# Altium PCB FA18_AMPCD.PcbDoc
Units mil, origin at the board's own origin, x right, y up, seen from the top; angles counter-clockwise.
Board outline 6889.76 x 8011.81 mil, 2 copper layers (Top Layer, Bottom Layer); 47 components, 65 nets, 218 pads, 28 vias.
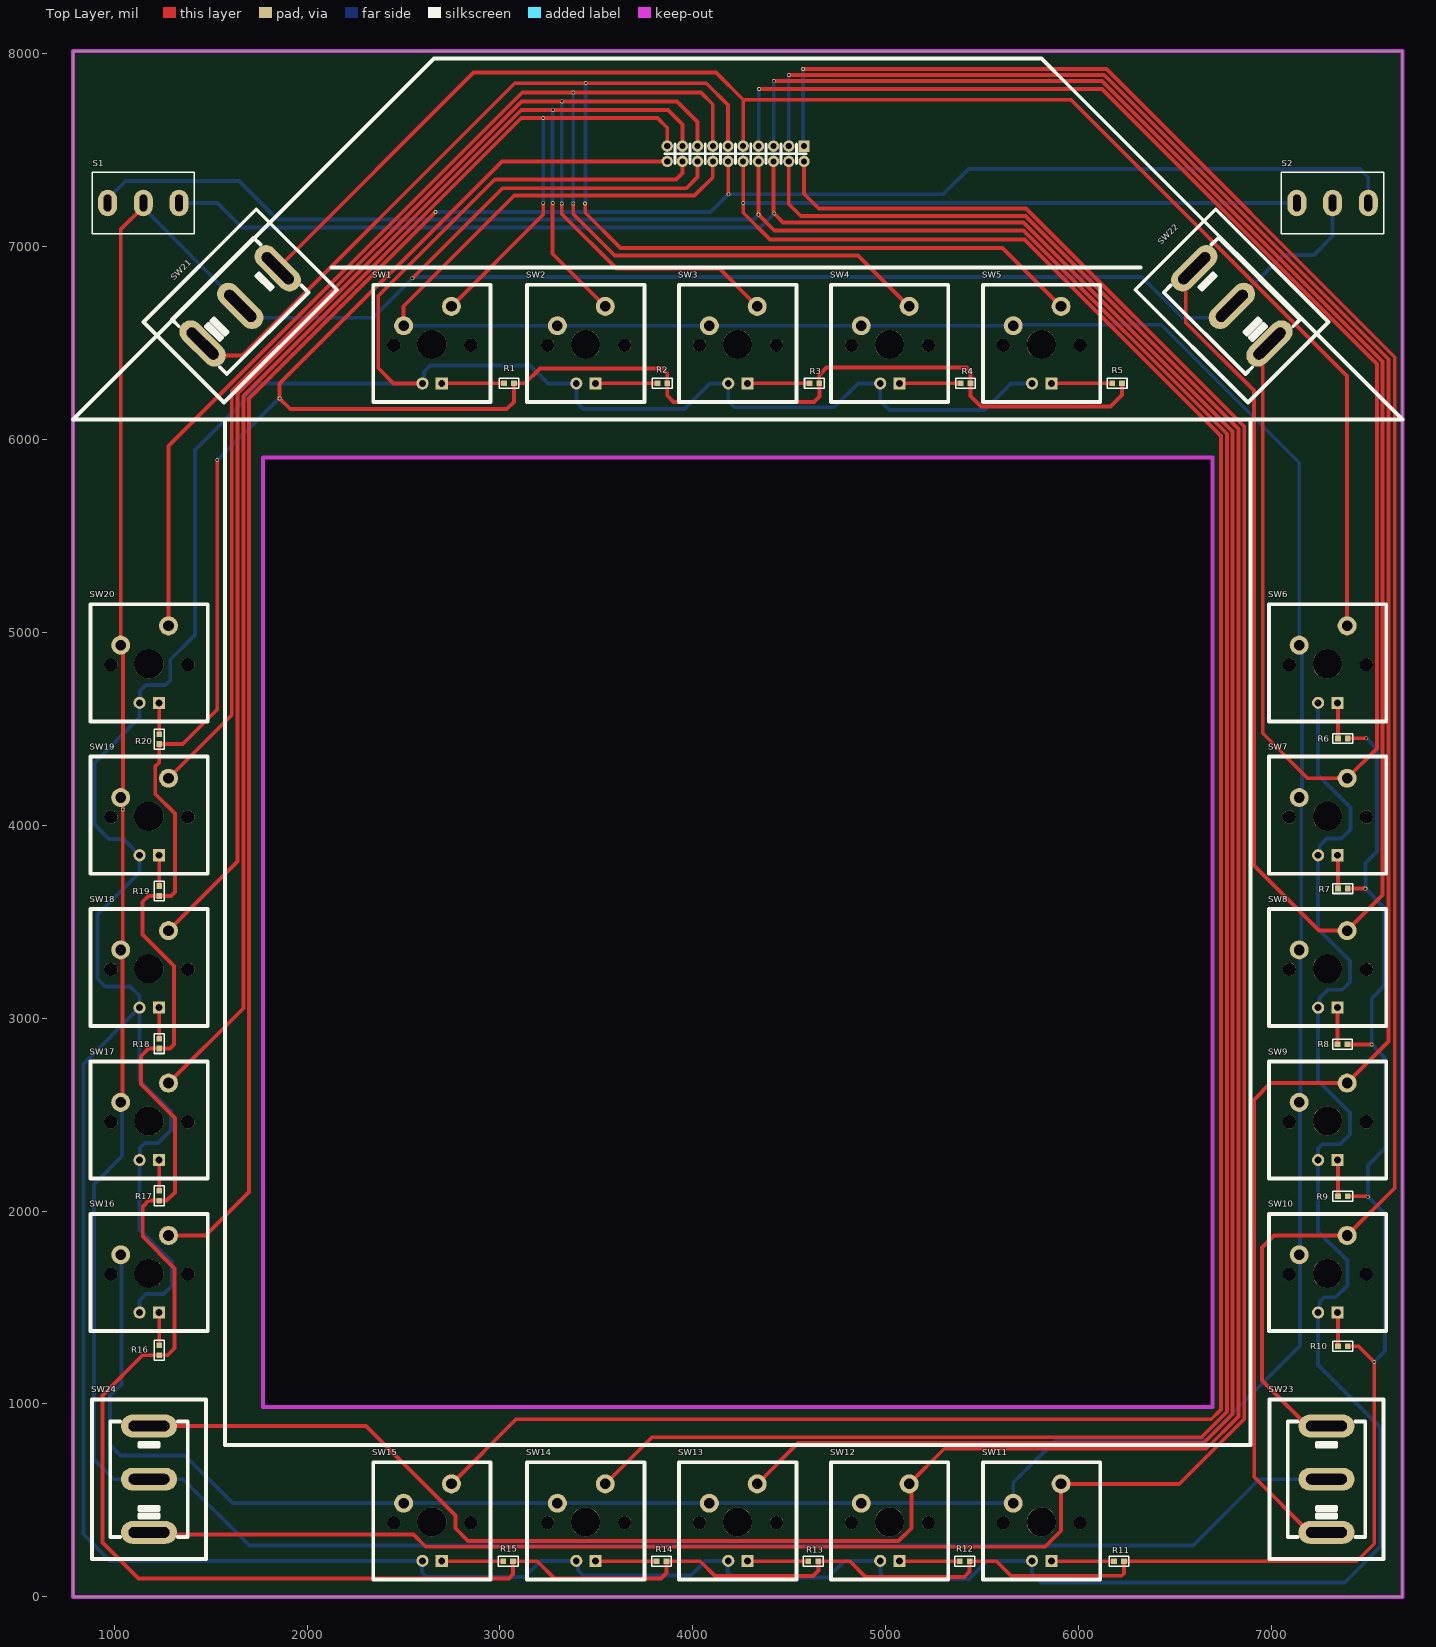
[diagram p0: Top Layer view]
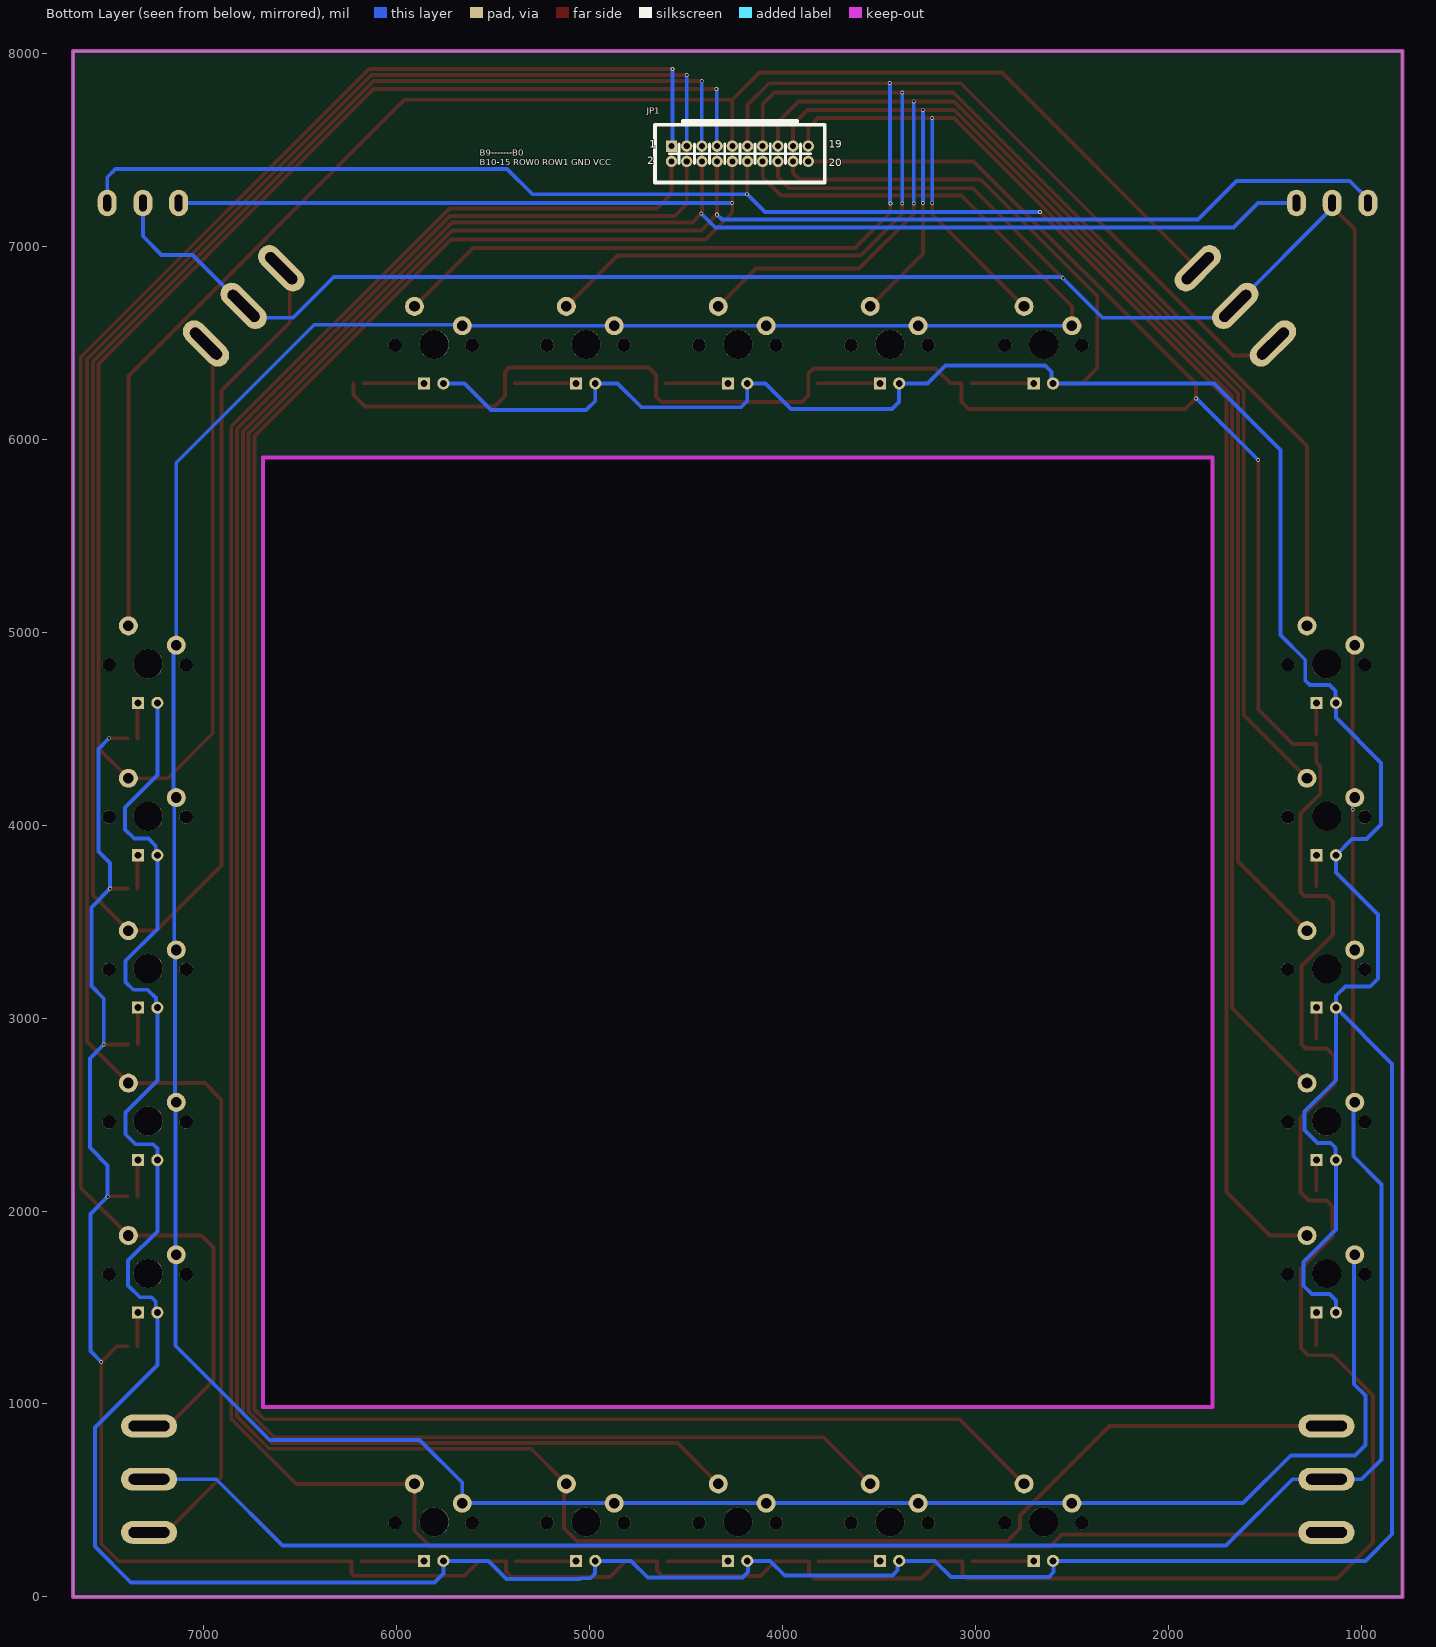
[diagram p1: Bottom Layer view, seen from below]
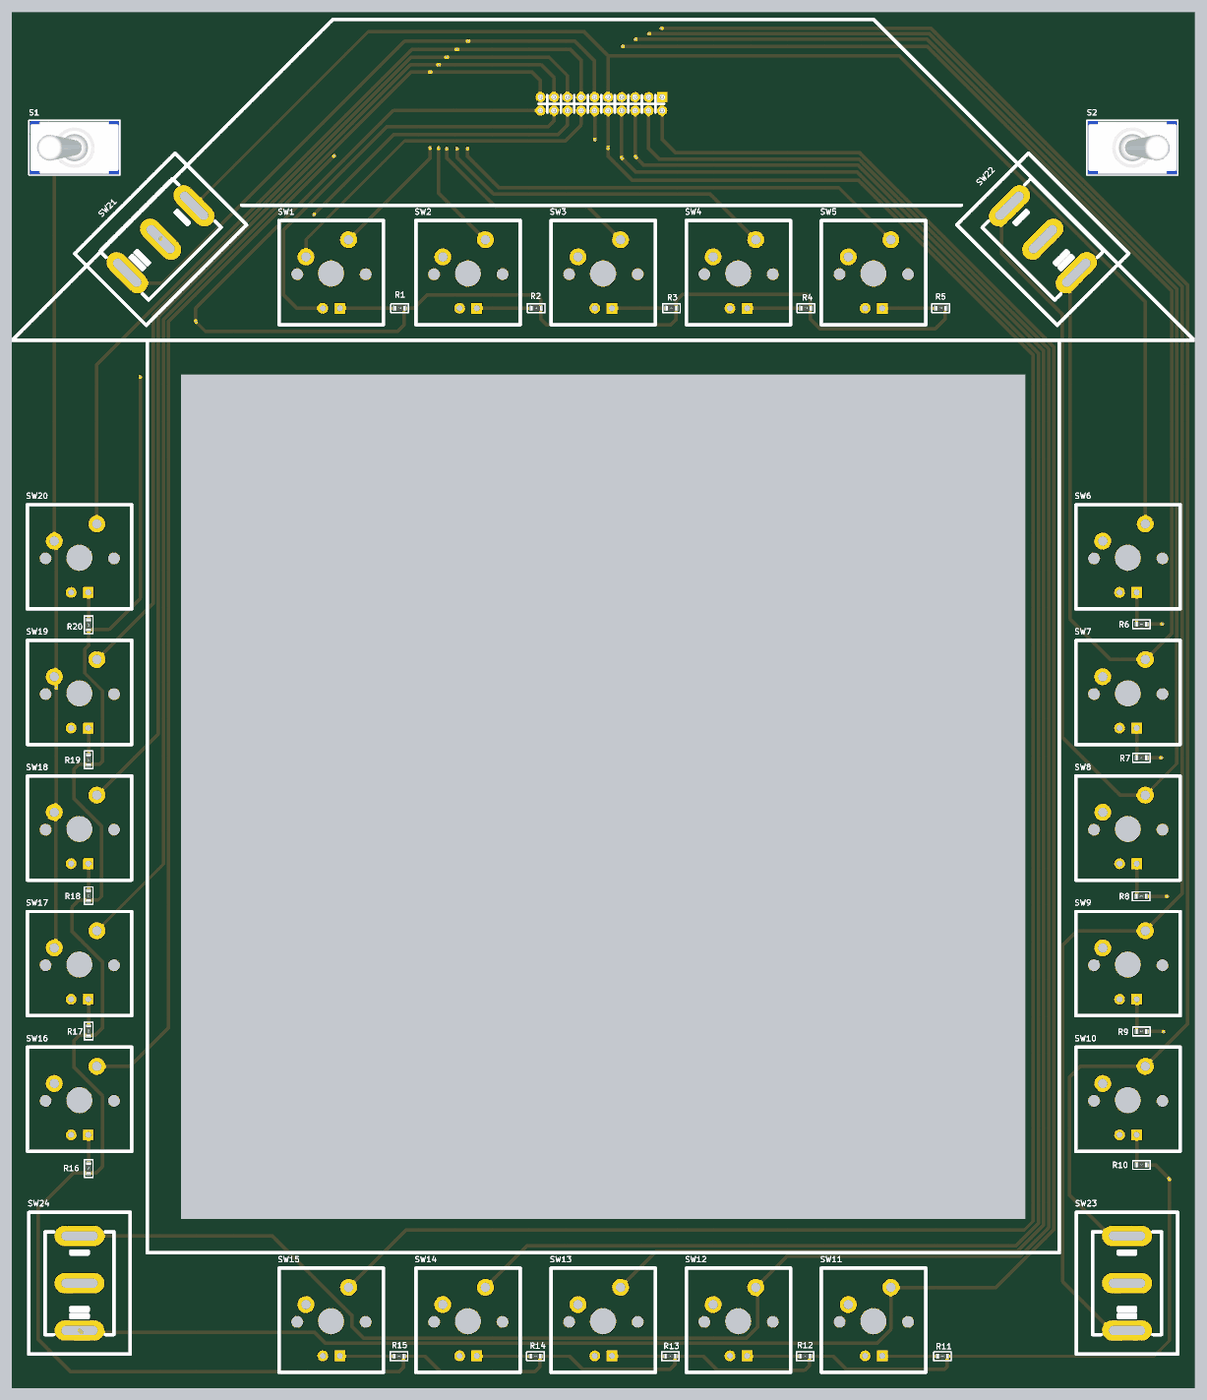
[diagram p2: 3D render of the assembled board from above, using the file's embedded part models]

## Layer stack, top to bottom
Top Solder: solder mask 0.4, Solder Resist, Dk 3.5
Top Layer: signal copper 1.4
Dielectric 1: dielectric 12.6, FR-4, Dk 4.8
Bottom Layer: signal copper 1.4
Bottom Solder: solder mask 0.4, Solder Resist, Dk 3.5

## Board outline
787.4,0 787.4,6889.76 787.4,8011.81 7677.17,8011.81 7677.17,6889.76 7677.17,0
cut-out: 1771.65,984.25 1771.65,5905.51 6692.91,5905.51 6692.91,984.25

## Design rules (kind name [scope] priority, off if disabled: settings)
Clearance [All] p1: gap=10 ignorepadtopadclearanceinfootprint=FALSE
Height [All] p1: minheight=0 maxheight=3937.01 prefheight=500
HoleSize [All] p1: absolutevalues=TRUE maxlimit=393.7 minlimit=1 maxpercent=80.000 minpercent=20.000
MinimumSolderMaskSliver [All] p1: minsoldermaskwidth=0
PolygonConnect [All] p1: connectstyle=Relief reliefconductorwidth=10 reliefentries=4 polygonreliefangle="90 Angle" airgapwidth=10
RoutingCorners [All] p1: cornerstyle=45-Degree minsetback=200 maxsetback=200
RoutingVias [All] p1: holewidth=11.81 width=19.68 viastyle="Through Hole" minholewidth=11.81 minwidth=19.68 maxholewidth=39.37 maxwidth=78.74
SilkToSilkClearance [All] p1: silktosilkclearance=0
SilkToSolderMaskClearance [IsPad] p1: minsilkscreentomaskgap=0 clearancetoexposedcopper=TRUE
SolderMaskExpansion [All] p1: expansion=4 istentingtop=FALSE
UnRoutedNet [All] p1: checkbadconnections=TRUE
Width [All] p1: maxlimit=100 minlimit=10 preferedwidth=10
23 further rules are at their usual default settings.

## Components (designator, comment, footprint, x,y, rotation, side; value= is the part's Value field where it differs from the comment)
JP1 "Header 2X10" PHB2.0-LI-2x10P 4221.15,7479.63 r180 bottom
R1 "5.1K" "R 0603_L" 3046.41,6290 r0 top
R2 "5.1K" "R 0603_L" 3841.41,6290 r0 top
R3 "5.1K" "R 0603_L" 4629.41,6290 r0 top
R4 "5.1K" "R 0603_L" 5413,6290 r0 top
R5 "5.1K" "R 0603_L" 6198.41,6290 r0 top
R6 "5.1K" "R 0603_L" 7368.11,4448.82 r0 top
R7 "5.1K" "R 0603_L" 7368.11,3671.26 r0 top
R8 "5.1K" "R 0603_L" 7366.14,2864.18 r0 top
R9 "5.1K" "R 0603_L" 7368.11,2076.77 r0 top
R10 "5.1K" "R 0603_L" 7368.11,1299.22 r0 top
R11 "5.1K" "R 0603_L" 6208.41,185 r0 top
R12 "5.1K" "R 0603_L" 5408.59,185 r0 top
R13 "5.1K" "R 0603_L" 4623.41,185 r0 top
R14 "5.1K" "R 0603_L" 3837.41,185 r0 top
R15 "5.1K" "R 0603_L" 3042.41,185 r0 top
R16 "5.1K" "R 0603_L" 1234,1278.41 r270 top
R17 "5.1K" "R 0603_L" 1234,2079.41 r270 top
R18 "5.1K" "R 0603_L" 1234,2867.59 r270 top
R19 "5.1K" "R 0603_L" 1234,3658.59 r270 top
R20 "5.1K" "R 0603_L" 1234,4445.41 r270 top
S1 "MTS-10x" MTS-10x 1151.57,7224.41 r180 top
S2 "MTS-10x" MTS-10x 7314.96,7224.41 r0 top
SW1 "Cherry" "LSW DIP-CHERRY" 2598.43,6289.37 r0 top
SW2 "Cherry" "LSW DIP-CHERRY" 3395.67,6289.37 r0 top
SW3 "Cherry" "LSW DIP-CHERRY" 4183.07,6289.37 r0 top
SW4 "Cherry" "LSW DIP-CHERRY" 4970.47,6289.37 r0 top
SW5 "Cherry" "LSW DIP-CHERRY" 5757.87,6289.37 r0 top
SW6 "Cherry" "LSW DIP-CHERRY" 7240.16,4633.86 r0 top
SW7 "Cherry" "LSW DIP-CHERRY" 7240.16,3844 r0 top
SW8 "Cherry" "LSW DIP-CHERRY" 7240.16,3054.13 r0 top
SW9 "Cherry" "LSW DIP-CHERRY" 7240.16,2264.27 r0 top
SW10 "Cherry" "LSW DIP-CHERRY" 7240.16,1474.41 r0 top
SW11 "Cherry" "LSW DIP-CHERRY" 5757.87,187.01 r0 top
SW12 "Cherry" "LSW DIP-CHERRY" 4970.47,187.01 r0 top
SW13 "Cherry" "LSW DIP-CHERRY" 4183.07,187.01 r0 top
SW14 "Cherry" "LSW DIP-CHERRY" 3395.67,187.01 r0 top
SW15 "Cherry" "LSW DIP-CHERRY" 2598.43,187.01 r0 top
SW16 "Cherry" "LSW DIP-CHERRY" 1132.28,1474.41 r0 top
SW17 "Cherry" "LSW DIP-CHERRY" 1132.28,2264.27 r0 top
SW18 "Cherry" "LSW DIP-CHERRY" 1132.28,3054.13 r0 top
SW19 "Cherry" "LSW DIP-CHERRY" 1132.28,3844 r0 top
SW20 "Cherry" "LSW DIP-CHERRY" 1132.28,4633.86 r0 top
SW21 "KCD1" KCD1 1653.54,6690.93 r45 top
SW22 "KCD1" KCD1 6793.32,6690.93 r135 top
SW23 "KCD1" KCD1 7283.46,610.24 r90 top
SW24 "KCD1" KCD1 1181.1,610.24 r90 top

## Footprints (in the part's own frame and the unit in brackets; to place one, negate y for a bottom-side part, rotate by r counter-clockwise, add the part's x,y. Pads: shape width x height; smd on the part's side, far side on the other; paste and mask are expansions set on the pad)
KCD1 [mm] "船型开关"
  oval 3x7.4 hole 1.4 slot 5.4 at 90 deg: 1(-7,0) 2(0,0) 3(7,0)
  silkscreen extent -10.5,-7.5 10.5,7.5
"LSW DIP-CHERRY" [mm] "淘宝ID:黄晶宝石"
  round 2.5 hole 1.4: 1(-2.489,7.595) 2(3.81,10.135)
  rect 1.6x1.6 hole 0.9: 3(2.54,0)
  round 1.6 hole 0.9: 4(0,0)
  round 1.75 hole 1.75: ""(-3.785,5.029) ""(6.35,5.029)
  round 3.85 hole 3.85: ""(1.219,5.131)
  silkscreen extent -6.48,-2.44 8.97,12.98, body extent -6.58,-2.67 9.02,12.93, height 3.45
MTS-10x [mm] "MTS10系列3脚扭子开关      淘宝ID:黄晶宝石"
  oval 2.5x3.5 hole 1 slot 2.2 at 90 deg unplated: 1(-4.7,0) 2(0,0) 3(4.7,0)
  silkscreen extent -6.73,-4.06 6.73,4.06, body extent -6.6,-3.95 6.6,3.95, height 30.47
PHB2.0-LI-2x10P [mm] "长：22mm，宽：7.3mm，高：7.8mm"
  rect 1.5x1.5 hole 0.8: 1(-9,1)
  round 1.5 hole 0.8: 2(-9,-1) 3(-7,1) 4(-7,-1) 5(-5,1) 6(-5,-1) 7(-3,1) 8(-3,-1) 9(-1,1) 10(-1,-1) 11(1,1) 12(1,-1) 13(3,1) 14(3,-1) 15(5,1) 16(5,-1) 17(7,1) 18(7,-1) 19(9,1) 20(9,-1)
  silkscreen extent -11.18,-3.81 11.18,4.32, body extent -11,-3.65 11,4.25, height 7.83
"R 0603_L" [mil] "1/10W贴片电阻                 淘宝ID:黄晶宝石"
  rect 30x30 smd: 1(-25.59,0) 2(25.59,0)
  silkscreen extent -51,-26 51,26, body extent -31,-16 32,16, height 16

## Part data
JP1: library part "Header 10X2", "10*2P接插件", 封装库来自淘宝卖家 ID：黄晶宝石=其他店铺购入均为盗版，不享受售后技术支持服务，请立即申请退款
R1 R2 R3 R4 R5 R6 R7 R8 R9 R10 R11 R12 R13 R14 R15 R16 R17 R18 R19 R20: library part R, "贴片电阻", BOM名称=贴片电阻, 封装库来自淘宝卖家 ID：黄晶宝石=其他店铺购入均为盗版，不享受售后技术支持服务，请立即申请退款, 版权归属="来自淘宝 ID：黄晶宝石", 联系售后=https://shop463601444.taobao.com
S1 S2: "MTS10x系列3脚扭子开关", BOM名称=MTS10x系列3脚扭子开关, 学习资源=https://shop463601444.taobao.com, 版权归属="封装库来自淘宝 ID：黄晶宝石"
SW1 SW2 SW3 SW4 SW5 SW6 SW7 SW8 SW9 SW10 SW11 SW12 SW13 SW14 SW15 SW16 SW17 SW18 SW19 SW20: library part LSW, "带灯机械按键开关", BOM名称=带灯机械按键开关, 学习资源=https://shop463601444.taobao.com, 版权归属="封装库来自淘宝 ID：黄晶宝石"
SW21 SW22 SW23 SW24: "船型开关", BOM_JLCPCB Part Class="Extended Part", BOM_Manufacturer=HONGJU(宏聚), BOM_Manufacturer Part=MR1-138-C6N-BBAA, BOM_Supplier=LCSC, BOM_Supplier Part=C268223, Contributor=LCSC, spicePre=S, spiceSymbolName=MR1-138-C6N-BBAA

## Via types
v1: diameter 19.68, hole 11.81, Top Layer to Bottom Layer, 28 vias

## Nets (pads, with @x,y where several pads share a name; then routed paths per layer and width w, separated by ;. In a path a pad name is that pad's centre, name@x,y a point inside that pad or via, vN(x,y) a via of type N, cw(c..) or ccw(c..) an arc to the next point about the centre after c; other vN are vias at no path point)
0: 
+5: 
BOOT0: 
GND: JP1.18 SW1.4 SW2.4 SW3.4 SW4.4 SW5.4 SW6.4 SW7.4 SW8.4 SW9.4 SW10.4 SW11.4 SW12.4 SW13.4 SW14.4 SW15.4 SW16.4 SW17.4 SW18.4 SW19.4 SW20.4 | length 28558.4
  Top Layer w20: SW1.4 2448.63,6289.37 2369,6369 2369,6743 2973,7347 3913,7347 3945.56,7379.56 JP1.18
  Bottom Layer w20: SW16.4 1132.28,1536.28 1166,1570 1257,1570 1300,1613 1300,1736 1132.28,1903.72 SW17.4 1134,2265.99 1134,2328 1159,2353 1228,2353 1295,2420 1295,2515 1132.28,2677.72 SW18.4 ; SW5.4 5649.37,6289.37 5511,6151 5019,6151 4970.47,6199.53 SW4.4 4855.37,6289.37 4732,6166 4215,6166 4183.07,6197.93 SW3.4 4088.37,6289.37 3956,6157 3432,6157 3395.67,6193.33 SW2.4 3248.37,6289.37 3155.74,6382 2639,6382 2606.65,6349.65 2606.65,6297.6 SW1.4 1764.37,6289.37 1420,5945 1420,4986 1291,4857 1291,4750 1267,4726 1165,4726 1134.35,4695.35 1134.35,4635.93 SW20.4 1132.28,4557.28 898,4323 898,4004 974,3928 1048.28,3928 SW19.4 1132.28,3755.28 914,3537 914,3204 954,3164 1083,3164 1131.37,3115.63 1131.37,3055.05 SW18.4 ; SW6.4 7240.16,4259.84 7408,4092 7408,3977.72 7360.28,3930 7286,3930 7248.38,3892.38 7248.38,3852.22 SW7.4 7240.16,3461.84 7405,3297 7405,3187 7365,3147 7291,3147 7248,3104 7248,3061.98 SW8.4 7240.16,2675.84 7405,2511 7405,2397.72 7353.28,2346 7262,2346 7240.16,2324.16 SW9.4 7240.16,1894.84 7392,1743 7392,1615 7330,1553 7270,1553 7248.38,1531.38 7248.38,1482.64 SW10.4 7240.16,1201.84 7564,878 7564,261 7378,75 5804,75 5757.87,121.13 SW11.4 5525.01,187.01 5431,93 5050,93 5046,97 4996,97 4972,121 4972,185.48 SW12.4 4785.01,187.01 4699,101 4208,101 4179,130 4179,182.94 SW13.4 4065.01,187.01 3989,111 3431,111 3403.9,138.1 3403.9,178.78 SW14.4 3211.01,187.01 3128,104 2619,104 2595,128 2595,183.58 SW15.4 978.99,187.01 841,325 841,2762.85 SW18.4
NetC6_1: 
NetC7_1: 
NetR1_1: R1.1 SW1.3 | length 322.7
  Top Layer w20: SW1.3 2699.05,6290 R1.1
NetR2_1: R2.1 SW2.3 | length 320.4
  Top Layer w20: SW2.3 3496.3,6290 R2.1
NetR3_1: R3.1 SW3.3 | length 322.9
  Top Layer w20: SW3.3@4284.44,6288 SW3.3 4283.7,6290 R3.1
NetR4_1: R4.1 SW4.3 | length 317.2
  Top Layer w20: SW4.3 5071.1,6290 R4.1
NetR5_1: R5.1 SW5.3 | length 315.2
  Top Layer w20: SW5.3 5858.5,6290 R5.1
NetR6_1: R6.1 SW6.3 | length 186
  Top Layer w20: SW6.3 7342.52,4631.5 R6.1
NetR7_1: R7.1 SW7.3 | length 173.7
  Top Layer w20: SW7.3 7342.52,3841.63 R7.1
NetR8_1: R8.1 SW8.3 | length 190.1
  Top Layer w20: SW8.3 7340.55,3053.74 R8.1
NetR9_1: R9.1 SW9.3 | length 188.5
  Top Layer w20: SW9.3 7342.52,2261.91 R9.1
NetR10_1: R10.1 SW10.3 | length 176.2
  Top Layer w20: SW10.3 7342.52,1472.05 R10.1
NetR11_1: R11.1 SW11.3 | length 325.8
  Top Layer w20: SW11.3 5859.88,185 R11.1
NetR12_1: R12.1 SW12.3 | length 313.4
  Top Layer w20: SW12.3 5072.48,185 R12.1
NetR13_1: R13.1 SW13.3 | length 315.6
  Top Layer w20: SW13.3 4285.08,185 R13.1
NetR14_1: R14.1 SW14.3 | length 317
  Top Layer w20: SW14.3 3497.68,185 R14.1
NetR15_1: R15.1 SW15.3 | length 319.2
  Top Layer w20: SW15.3 2700.43,185 R15.1
NetR16_1: R16.1 SW16.3 | length 171.1
  Top Layer w20: SW16.3 1234,1472.69 R16.1
NetR17_1: R17.1 SW17.3 | length 160
  Top Layer w20: SW17.3 1234,2262.56 R17.1
NetR18_1: R18.1 SW18.3 | length 161.7
  Top Layer w20: SW18.3 1234,3052.42 R18.1
NetR19_1: R19.1 SW19.3 | length 160.5
  Top Layer w20: SW19.3 1234,3842.28 R19.1
NetR20_1: R20.1 SW20.3 | length 163.6
  Top Layer w20: SW20.3 1234,4632.14 R20.1
NetR24_2: 
NetR27_1: 
PA0: 
PA1: 
PA2: 
PA3: 
PA4: 
PA5: 
PA6: 
PA7: 
PA11: 
PA12: 
PB0: JP1.19 SW1.2 SW17.2 | length 7805.1
  Top Layer w20: SW17.2 1670,3050.99 1670,6224.43 3110.57,7665 v1(3224,7665) 3816,7665 3866.82,7614.18 JP1.19 ; SW1.2 3224,7163.94 v1(3224,7225)
  Bottom Layer w20: v1(3224,7225) v1(3224,7665)
PB1: JP1.17 SW2.2 SW18.2 | length 7122.1
  Top Layer w20: SW18.2 1640,3810.85 1640,6236.85 3110.15,7707 v1(3273,7707) 3870,7707 3945.56,7631.44 JP1.17 ; v1(3273,7224) 3273,6961.04 SW2.2
  Bottom Layer w20: v1(3273,7224) v1(3273,7707) ; JP1.17@3945.28,7519.28 JP1.17
PB2: JP1.15 SW3.2 SW19.2 | length 7143
  Top Layer w20: SW19.2 1610,4570.71 1610,6249.28 3111.72,7751 v1(3320,7751) 3917,7751 4024.3,7643.7 JP1.15 ; v1(3320,7222) 3320,7167 3603,6884 4137.44,6884 SW3.2
  Bottom Layer w20: v1(3320,7222) v1(3320,7751) ; JP1.15@4024.15,7519.15 JP1.15
PB3: JP1.13 SW4.2 SW20.2 | length 7322.2
  Top Layer w20: SW20.2 1282.28,5963.99 3115.29,7797 v1(3380,7797) 4042,7797 4103.04,7735.96 JP1.13 ; v1(3380,7222) 3380,7168 3595,6953 4855.84,6953 SW4.2
  Bottom Layer w20: v1(3380,7222) v1(3380,7797) ; JP1.13 JP1.13@4103.52,7519.48
PB4: JP1.11 SW5.2 SW21.1 | length 6933.8
  Top Layer w20: SW21.1 1519.92,6434.82 1666.53,6434.82 3076.71,7845 4069,7845 4181.78,7732.22 JP1.11 ; v1(3441,7222) 3442,7221 3442,7174 3625,6991 5605.24,6991 SW5.2
  Bottom Layer w20: v1(3441,7222) 3444,7225 3444,7845 v1(3445,7846) ; JP1.11 JP1.11@4181.89,7519.11
PB5: JP1.9 SW6.2 SW21.3 | length 8149.7
  Top Layer w20: SW21.3 2863.61,7901 4119,7901 4260.52,7759.48 ; JP1.9 4260.52,7759.48 ; SW6.2 7390.16,6328.39 5959.07,7759.48 4260.52,7759.48
PB6: JP1.7 SW7.2 SW22.1 | length 8873.1
  Top Layer w20: v1(4343,7815) 6119.57,7815 7544.61,6389.97 7544.61,4397.44 SW7.2 7186,4243 6952.88,4476.12 6952.88,6379.62 6947.63,6384.88 6947.63,6455.5 SW22.1
  Bottom Layer w20: JP1.7 4341.15,7520.89 4341.15,7813.15 v1(4343,7815)
PB7: JP1.5 SW8.2 SW22.3 | length 11003.9
  Top Layer w20: v1(4419,7856) 6121,7856 7574.61,6402.39 7574.61,3637.58 SW8.2 7243.87,3453.13 6907,3790 6907,6252 6554,6605 6554,6841.36 SW22.3
  Bottom Layer w20: JP1.5 4418.5,7519.5 4418.5,7855.5 v1(4419,7856)
PB8: JP1.3 SW9.2 SW23.1 | length 10893.9
  Top Layer w20: v1(4497,7888) 6131.43,7888 7604.61,6414.82 7604.61,2877.72 SW9.2 6993.98,2663.27 6909.45,2578.74 6909.45,620.08 7194.88,334.65 SW23.1
  Bottom Layer w20: JP1.3 4496.87,7519.13 4496.87,7887.87 v1(4497,7888)
PB9: JP1.1 SW10.2 SW23.3 | length 10330.5
  Top Layer w20: v1(4570,7919) 6142.85,7919 7637,6424.85 7637,2120.25 SW10.2 7011.21,1873.41 6948.82,1811.02 6948.82,1122.05 7185.04,885.83 SW23.3
  Bottom Layer w20: v1(4570,7919) 4570,7524.48 JP1.1
PB10: JP1.2 SW11.2 SW24.1 | length 14216
  Top Layer w20: SW24.1 1192.75,323 2552,323 2615,260 5825,260 5907.87,342.87 SW11.2 6520.71,586.01 6857,922.29 6857,6065.54 5726.54,7196 4652,7196 4575.48,7272.52 JP1.2
PB11: JP1.4 SW12.2 SW24.3 | length 14502.7
  Top Layer w20: SW24.3 2305.17,885.83 2769,422 2769,356 2835,290 5066,290 5132,356 5132,574.48 SW12.2 5302.24,767.78 6660.06,767.78 6827,934.72 6827,6053.11 5723.11,7157 4559,7157 4496.74,7219.26 JP1.4
  Bottom Layer w20: JP1.4@4496.37,7439.89 JP1.4
PB12: JP1.6 S1.1 SW13.2 | length 13990.7
  Top Layer w20: SW13.2 4544.84,797.78 6647.63,797.78 6797,947.15 6797,6040.69 5713.69,7124 4467,7124 v1(4421.5,7169.5) 4421.5,7172.12 4418,7175.62 JP1.6
  Bottom Layer w20: S1.1 1535.59,7224.41 1663,7097 4349,7097 v1(4421.5,7169.5) ; JP1.6@4417.5,7439.76 JP1.6
PB13: JP1.8 S1.3 SW14.2 | length 15145.7
  Top Layer w20: SW14.2 3787.44,827.78 6635.21,827.78 6767,959.57 6767,6028.26 5713.26,7082 4421.2,7082 v1(4339.26,7163.94) JP1.8
  Bottom Layer w10: S1.3 S1.3@966.54,7244.1
  Bottom Layer w20: S1.3@966.54,7244.1 1060.44,7338 1647,7338 1847,7138 4314,7138 4339.26,7163.26 v1(4339.26,7163.94) ; JP1.8 JP1.8@4340.13,7439.39
PB14: JP1.10 S2.1 SW15.2 | length 15284.5
  Top Layer w20: SW15.2 3083.42,921 6686,921 6737,972 6737,6015.83 5717.83,7035 4399,7035 4260.52,7173.48 JP1.10
  Bottom Layer w20: JP1.10@4260.26,7440 JP1.10 ; v1(4261,7224) 4261.41,7224.41 S2.1
PB15: JP1.12 S2.3 SW16.2 | length 11240.8
  Top Layer w20: SW16.2 1474.41,1873.41 1700,2099 1700,6212 v1(2666,7178) ; JP1.12 4182.89,7439.15 4182.89,7271.11 v1(4184,7270)
  Bottom Layer w20: v1(2666,7178) 4092,7178 v1(4184,7270) 5297,7270 5428,7401 7457,7401 7500,7358 S2.3 ; JP1.12 JP1.12@4182.89,7439.15
RESET: 
ROW0: JP1.14 SW1.1 SW2.1 SW3.1 SW4.1 SW5.1 SW6.1 SW7.1 SW8.1 SW9.1 SW10.1 SW11.1 SW12.1 SW13.1 SW14.1 SW15.1 SW16.1 | length 19314.8
  Top Layer w20: SW1.1 2500.43,6689.43 3074,7263 4008.62,7263 4103.04,7357.42 JP1.14
  Bottom Layer w20: SW16.1 1037.73,1769.96 1037.73,1102.64 979,1043.91 979,788 1033,734 1366,734 1613.99,486.01 SW15.1 SW14.1 SW13.1 SW12.1 SW11.1 5659.87,592.87 5881,814 6658,814 7145.61,1301.61 7145.61,1769.96 SW10.1 7146,1777.25 7146,1887 7145.61,1887.39 7145.61,2559.82 SW9.1 7149,2570.11 7149,3346.29 SW8.1 7153,3363.98 7153,4132.15 SW7.1 7156,4156.84 7156,4919.02 SW6.1 7142.16,5877.84 6427,6593 5664.5,6593 SW5.1 SW4.1 SW3.1 SW2.1 SW1.1 ; JP1.14@4102,7439.22 JP1.14
ROW1: JP1.16 S1.2 S2.2 SW17.1 SW18.1 SW19.1 SW20.1 SW21.2 SW22.2 SW23.2 SW24.2 | length 23048.7
  Top Layer w10: v1(1045,4081) 1047,4083 1047,4155.71 1047,4920.14 SW20.1@1047,4932.86
  Top Layer w20: SW17.1 1044,2572.99 1044,3343.42 SW18.1 1045,3363.85 1045,4132.28 SW19.1 ; SW20.1 1034.28,7087.43 1151.57,7204.72 S1.2 ; SW19.1@1047,4155.71 SW20.1@1047,4920.14 ; v1(2546,6834) 3013,7301 3967,7301 4024.3,7358.3 JP1.16
  Bottom Layer w10: v1(1045,4081) 1048,4084 SW19.1@1048,4129.28
  Bottom Layer w20: SW20.1 SW20.1@1047,4920.14 ; SW19.1@1047,4155.71 SW19.1 SW19.1@1048,4129.28 ; SW18.1@1048,3339.42 SW18.1 SW18.1@1048.33,3367.18 ; SW17.1@1048.33,2577.32 SW17.1 1042,2555.56 1042,2284 896,2138 896,713 998.76,610.24 SW24.2 1357.76,610.24 1702,266 6591,266 6935.24,610.24 SW23.2 ; S1.2@1151.57,7198.82 1653.54,6696.85 SW21.2 1714.79,6629.69 2341.69,6629.69 v1(2546,6834) 2552,6840 6326,6840 6536.31,6629.69 6732.07,6629.69 SW22.2 7057.38,6955 7218,6955 7314.96,7051.96 S2.2
RX0: 
SWCLK: 
SWDIO: 
TX0: 
USB_D+: 
USB_D-: 
VCC: JP1.20 R1.2 R2.2 R3.2 R4.2 R5.2 R6.2 R7.2 R8.2 R9.2 R10.2 R11.2 R12.2 R13.2 R14.2 R15.2 R16.2 R17.2 R18.2 R19.2 R20.2 | length 26956.5
  Top Layer w20: v1(1535,5892) 1535,4599 1355.82,4419.82 R20.2 1234,4325.04 1213.07,4304.11 1213.07,4162.52 1316,4059.59 1316,3653 1296,3633 R19.2 1178,3633 1148,3603 1148,3433 1311,3270 1311,2864 1289,2842 R18.2 1179,2842 1139,2802 1139,2658 1315,2482 1315,2097 1271.82,2053.82 R17.2 1178.82,2053.82 1149,2024 1149,1868 1314,1703 1314,1289 1278,1253 1234.18,1253 R16.2 1147.82,1252.82 940,1045 940,282 1126,96 3046,96 3068,118 R15.2 3193,185 3282,96 3835,96 3863,124 R14.2 4038,185 4114,109 4622,109 4650,137 4650,184 R13.2 4814,185 4895,104 5406,104 5434,132 5434,184.82 R12.2 5573,185 5648,110 6222.28,110 6234,121.72 R11.2 7440,185 7531,276 v1(7531,1218) 7449.79,1299.21 R10.2 ; JP1.20 3010.26,7440.26 1858,6288 v1(1858,6211) 1913,6156 3035,6156 3072,6193 R1.2 3130,6290 3207,6367 3840,6367 3867,6340 R2.2 3867,6226 3900,6193 4627,6193 4656,6222 4656,6289 R3.2 4655,6333 4693,6371 5417,6371 5438.59,6349.41 R4.2 5438.59,6224.41 5493,6170 6165,6170 6224,6229 R5.2 ; R8.2 7392.91,2863 v1(7518,2863) ; R9.2 7495.23,2076.77 v1(7498,2074) ; R7.2 7393.96,3671 v1(7485,3671) ; R6.2 7394.88,4450 v1(7490,4450)
  Bottom Layer w20: v1(1535,5892) 1854,6211 v1(1858,6211) ; v1(7490,4450) 7546,4394 7546,3864 7485,3803 v1(7485,3671) 7582,3574 7582,3166 7518,3102 v1(7518,2863) 7590,2791 7590,2329 7498,2237 v1(7498,2074) 7587,1985 7587,1274 v1(7531,1218)
VCC3.3: 
pads on no net: SW1. SW2. SW3. SW4. SW5. SW6. SW7. SW8. SW9. SW10. SW11. SW12. SW13. SW14. SW15. SW16. SW17. SW18. SW19. SW20.

## Keep-outs
Keep-Out Layer:
  lines w20: 787.4,0 7677.17,0 ; 787.4,0 787.4,6889.76 ; 787.4,0 787.4,6889.76 ; 787.4,0 7677.17,0 ; 787.4,6889.76 787.4,8011.81 ; 787.4,6889.76 787.4,8011.81 ; 787.4,8011.81 7677.17,8011.81 ; 787.4,8011.81 7677.17,8011.81 ; 7677.17,0 7677.17,6889.76 ; 7677.17,0 7677.17,6889.76 ; 7677.17,6889.76 7677.17,8011.81 ; 7677.17,6889.76 7677.17,8011.81 ; 1771.65,984.25 6692.91,984.25 6692.91,5905.51 1771.65,5905.51 1771.65,984.25

## Silkscreen, mask and mechanical layers (free items; w line width, h text height)
Top Overlay:
  lines w20: 2125.98,6889.76 6318.9,6889.76 ; 1574.8,6102.36 1574.8,787.4 6889.76,787.4 6889.76,6102.36 ; 1574.8,6102.36 787.4,6102.36 2657.48,7972.44 5807.09,7972.44 5944.88,7834.65 7677.17,6102.36 6889.76,6102.36 ; 1574.8,6102.36 6889.76,6102.36
Bottom Overlay:
  text "B9-------B0 / B10-15 ROW0 ROW1 GND VCC" at 5569,7420 h32

## Text inside footprints (layer, text, board x,y; h text height)
JP1: Bottom Overlay "2" at 4701.74,7424.63 h40; Bottom Overlay "1" at 4691.15,7509.63 h40; Bottom Overlay "19" at 3761.15,7509.63 h40; Bottom Overlay "20" at 3761.15,7414.63 h40